# Altium PCB PCB2.PcbDoc
Units mm, origin at the board's own origin, x right, y up, seen from the top; angles counter-clockwise.
Board outline 61 x 100 mm, 2 copper layers (Top Layer, Bottom Layer); 60 components, 43 nets, 226 pads, 132 vias.
Unrouted connection lines stored in the file: 8.
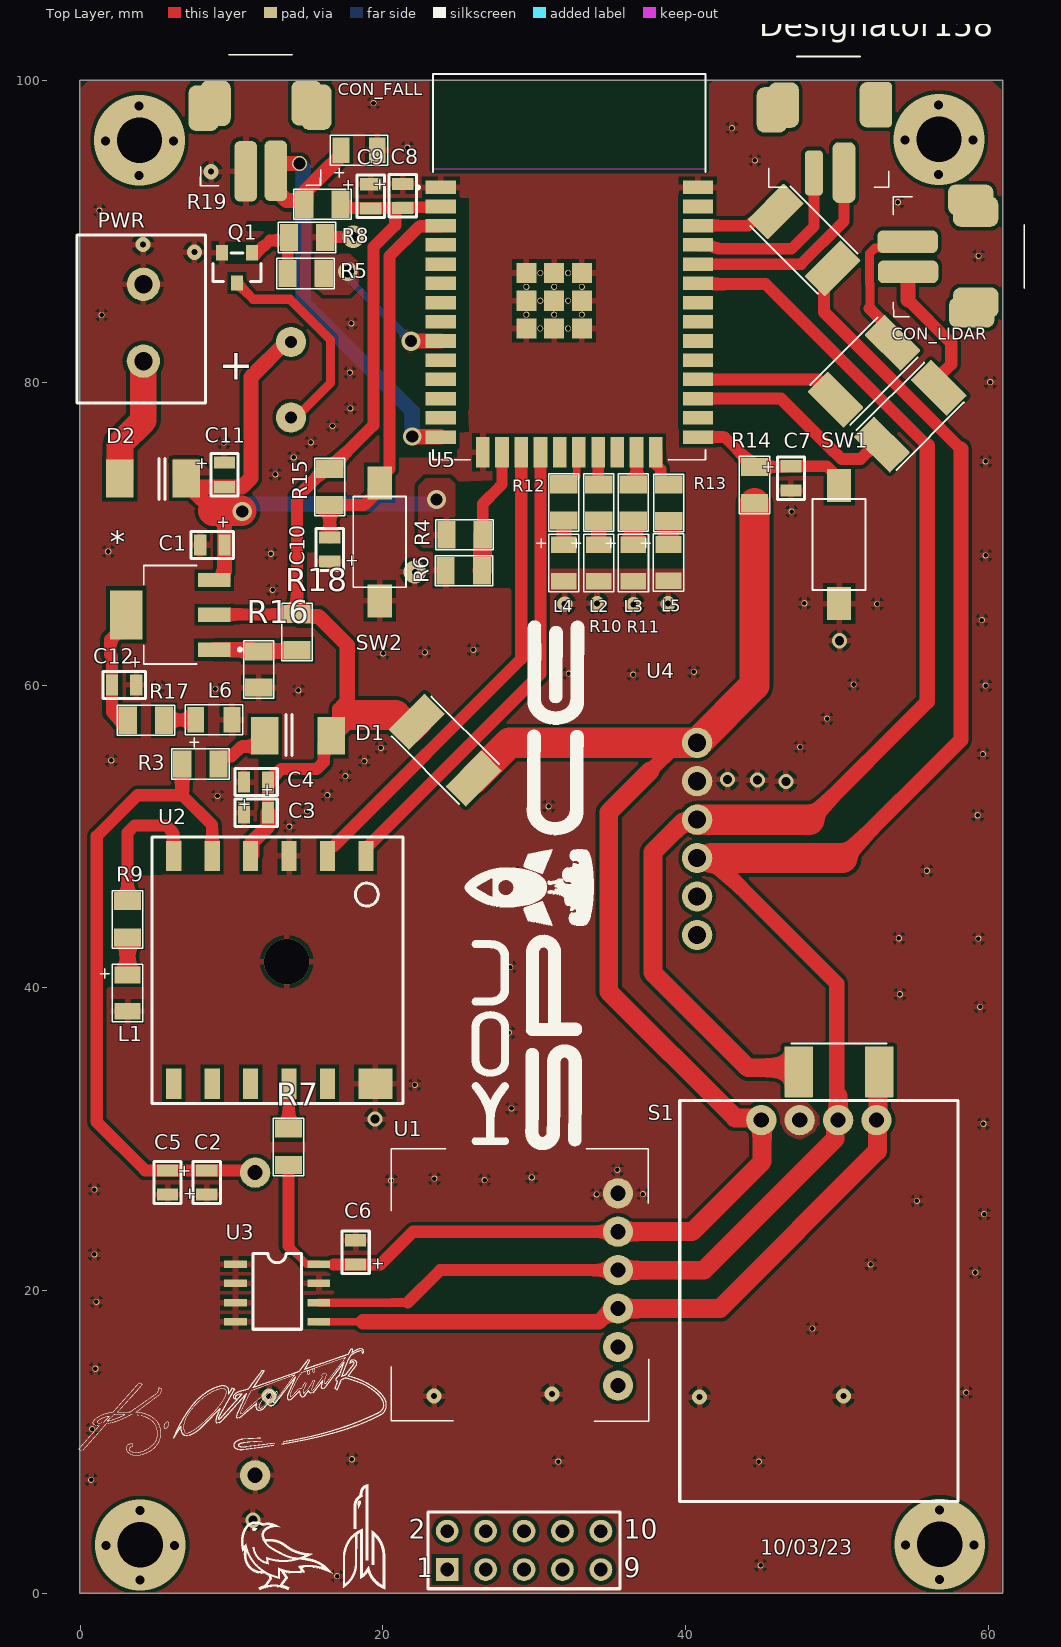
[diagram p0: Top Layer view]
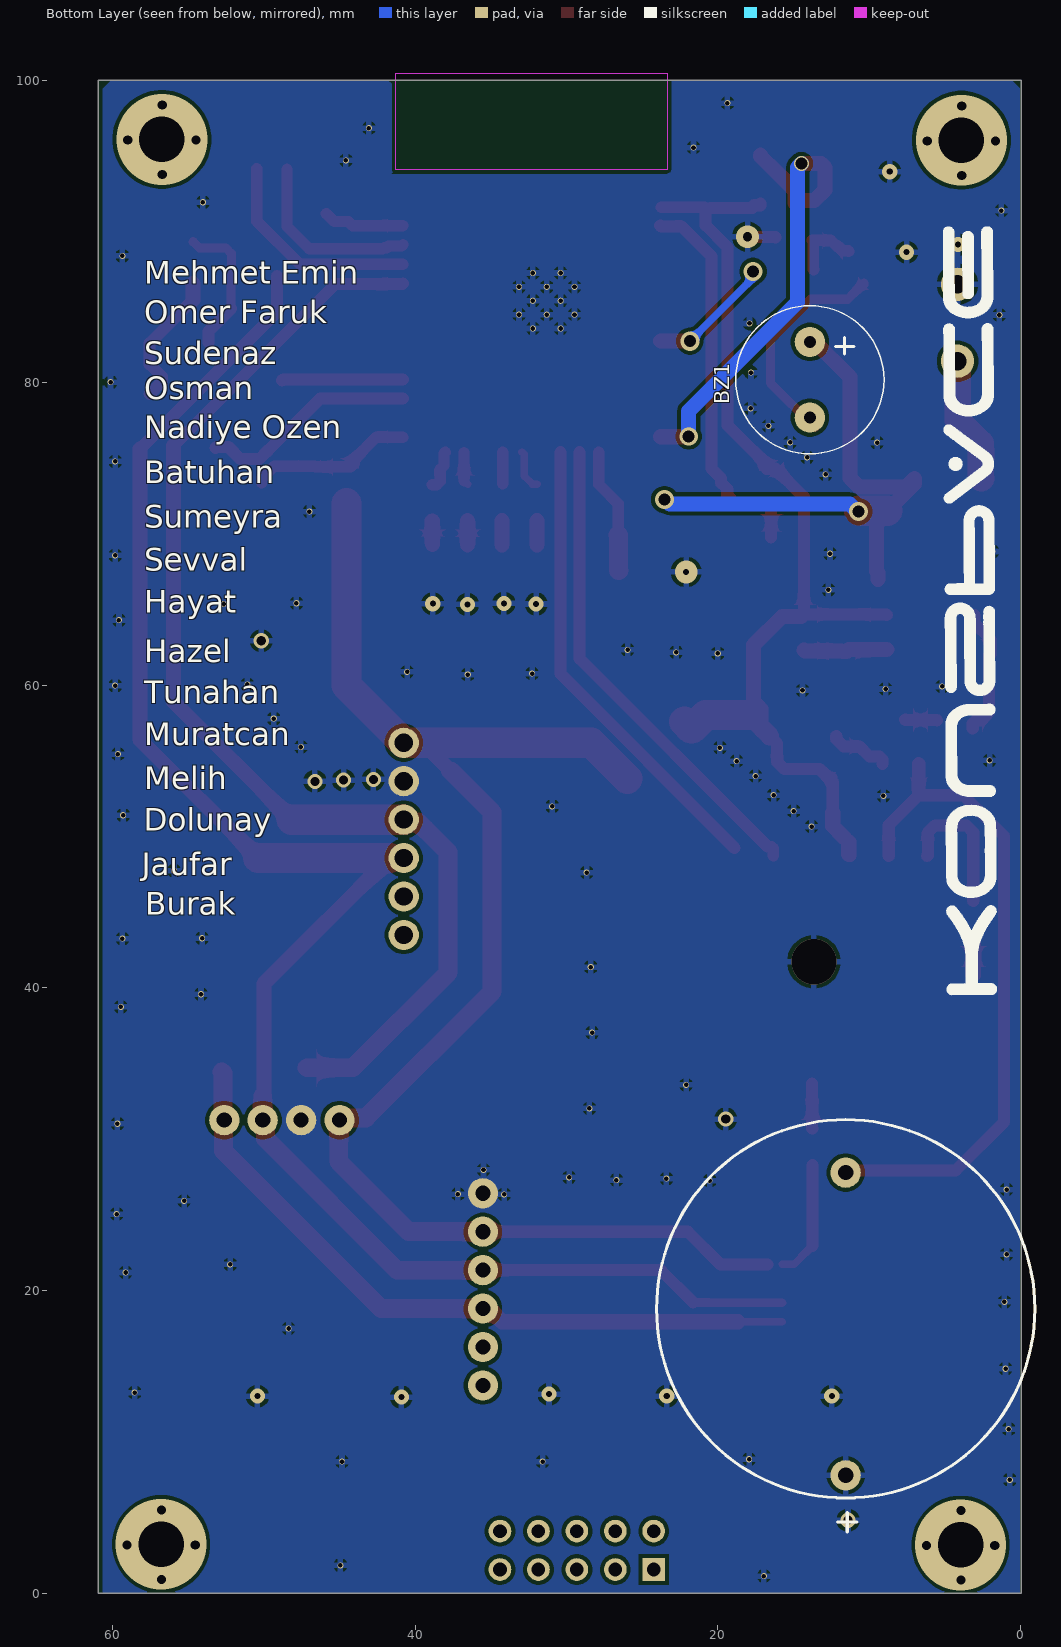
[diagram p1: Bottom Layer view, seen from below]
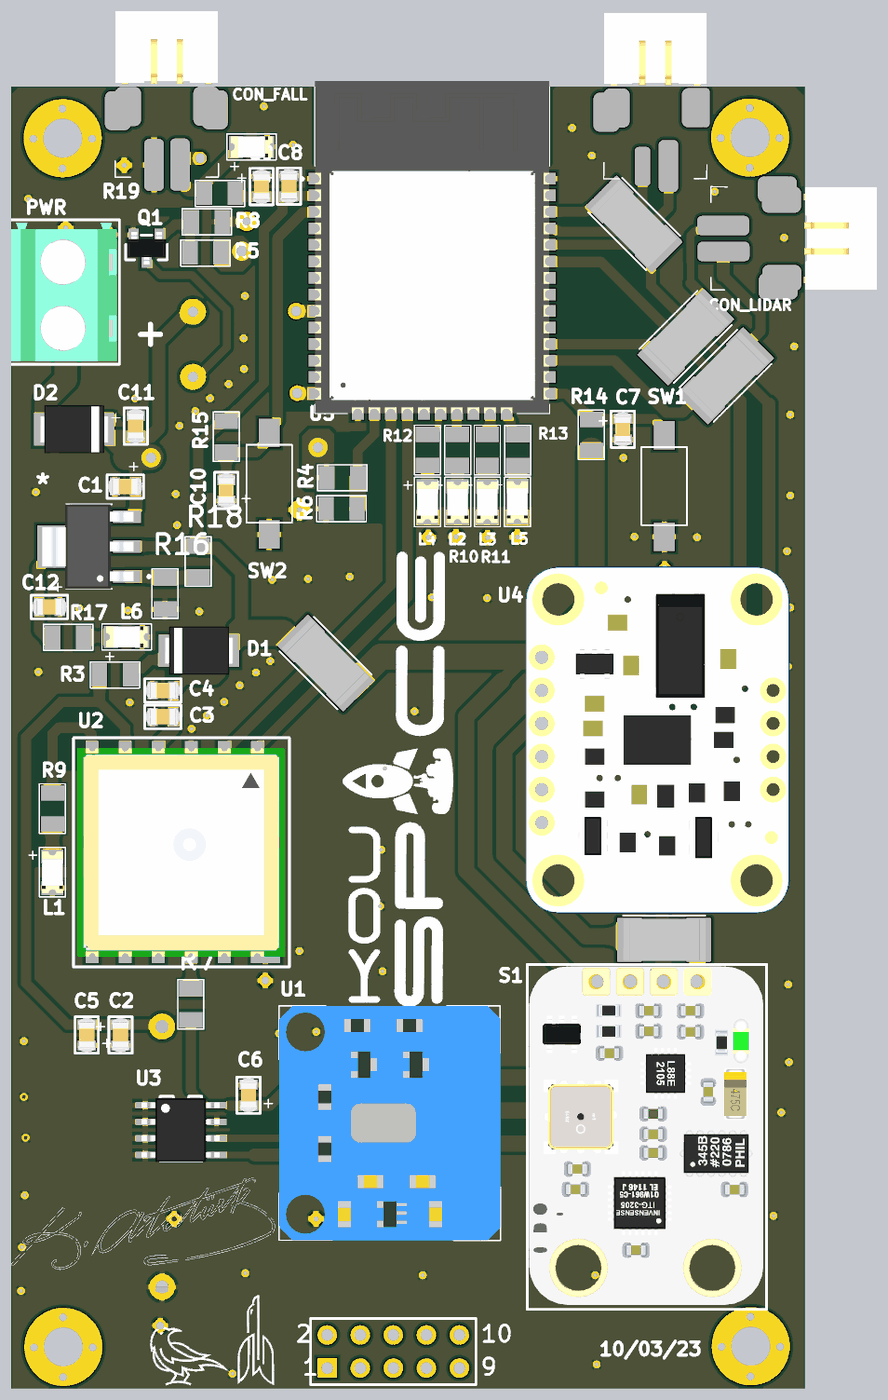
[diagram p2: 3D render of the assembled board from above, using the file's embedded part models]

## Layer stack, top to bottom
Top Solder: solder mask 0.0102, Solder Resist, Dk 3.5
Top Layer: signal copper 0.0356
Dielectric 1: dielectric 0.32, FR-4, Dk 4.8
Bottom Layer: signal copper 0.0356
Bottom Solder: solder mask 0.0102, Solder Resist, Dk 3.5

## Board outline
-0.057,0 -0.057,100 60.943,100 60.943,0

## Design rules (kind name [scope] priority, off if disabled: settings)
Clearance [All] p1: gap=0.254 ignorepadtopadclearanceinfootprint=FALSE except(0: Arc-Hole Track-Hole SMDPad-Hole THPad-Hole Via-Hole Fill-Hole Poly-Hole Region-Hole Text-Hole; 0.2: Arc-SMDPad Track-SMDPad SMDPad-SMDPad)
PolygonConnect [All] p1: connectstyle=Relief reliefconductorwidth=0.4 reliefentries=4 polygonreliefangle="90 Angle" airgapwidth=0.254
RoutingVias [All] p1: holewidth=1 width=1.27 viastyle="Through Hole" minholewidth=0.3 minwidth=1.27 maxholewidth=2 maxwidth=1.27
SolderMaskExpansion [All] p1: expansion=0.102 istentingtop=FALSE
Width [All] p1: maxlimit=2 minlimit=0.254 preferedwidth=0.254
30 further rules are at their usual default settings.

## Classes and differential pairs
component class Sensör: BZ1 C1 C2 C3 C4 C5 C6 D1 L1 L2 L3 L4 L5 Q1 R3 R4 R5 R6 R7 R8 R9 R10 R11 R12 R13 S1 U1 U2 U3 U4
component class Mikroişlemci: C7 C8 C9 C10 R14 R15 SW1 SW2 U5
component class Güç: * C11 C12 D2 L6 PWR R16 R17 R18 R19

## Components (designator, comment, footprint, x,y, rotation, side; value= is the part's Value field where it differs from the comment)
* "LM317DCYR" SOT230P700X180-4N 5.94,64.66 r180 top
BZ1 "Buzzer" CMI-9605IC 13.922,80.196 r180 bottom
C1 "100nF" CAP_805 8.722,69.276 r180 top
C2 "CAP 100nF 0805" CAP_805 8.352,27.146 r270 top
C3 "CAP 100nF 0805" CAP_805 11.612,51.586 r180 top
C4 "CAP 10uF 0805" CAP_805 11.612,53.606 r0 top
C5 "CAP 4.7uF" CAP_805 5.762,27.146 r90 top
C6 "100nF" CAP_805 18.192,22.526 r90 top
C7 "CAP 0.1uF" CAP_805 46.961,73.677 r270 top
C8 "CAP 0.1uF" CAP_805 21.302,92.346 r270 top
C9 "CAP 0.1uF" CAP_805 19.192,92.316 r270 top
C10 "CAP 0.1uF" CAP_805 16.481,68.978 r90 top
C11 "CAP 0.1uF" CAP_805 9.522,73.916 r270 top
C12 "CAP 1uF" CAP_805 2.892,60.026 r180 top
CON_FALL "Comment" SMD_JST#1 11.919,96.765 r0 top
CON_LIDAR "Comment" SMD_JST#1 57.462,88.326 r270 top
D1 "S3M Diyot" DO214AA 14.382,56.666 r180 top
D2 "S3M Diyot" DO214AA 4.797,73.677 r0 top
Designator158 "Comment" SMD_JST#2 49.468,96.65 r0 top
L1 "Led Red" "Led 1206" 3.122,39.656 r270 top
L2 "Led Red" "Led 1206" 34.261,68.089 r270 top
L3 "Led Red" "Led 1206" 36.547,68.089 r270 top
L4 "Led Red" "Led 1206" 31.952,68.089 r270 top
L5 "Led Red" "Led 1206" 38.862,68.106 r270 top
L6 "Led Red" "Led 1206" 8.822,57.726 r0 top
PWR "2 Pin Klemens" "5.08mm-2 pin" 4.162,83.964 r270 top (schematic designator KLM1)
Q1 "BC817-40-HT NPN" SOT-23 10.352,87.586 r180 top
R3 "RES 4.7K 1206" RES_1206#1 7.932,54.806 r180 top
R4 "15K" RES_1206#1 25.392,69.946 r0 top
R5 "150R" RES_1206#1 14.882,87.216 r0 top
R6 "5.1K" RES_1206#1 25.342,67.576 r180 top
R7 "RES 4.7K 1206" RES_1206#1 13.752,29.506 r90 top
R8 "RES 4.7K 1206" RES_1206#1 14.982,89.606 r180 top
R9 "RES 220R 1206" RES_1206#1 3.122,44.539 r270 top
R10 "RES 220R 1206" RES_1206#1 34.261,72.083 r90 top
R11 "RES 220R 1206" RES_1206#2 36.542,72.083 r90 top
R12 "RES 220R 1206" RES_1206#1 31.952,72.086 r90 top
R13 "RES 220R 1206" RES_1206#1 38.882,72.066 r90 top
R14 "RES 10K 1206" RES_1206#1 44.548,73.239 r270 top
R15 "RES 10K 1206" RES_1206#1 16.481,73.112 r90 top
R16 "200R" RES_1206#1 11.782,61.047 r270 top
R17 "RES 220R 1206" RES_1206#1 4.332,57.696 r180 top
R18 "120R" RES_1206#1 14.322,63.517 r90 top
R19 "PULL_UP" RES_1206#1 15.991,91.791 r0 top
S1 "SEN0140" SEN0140 48.812,31.266 r180 top
SW1 "1437566-3" SW_1437566-3 50.142,69.306 r270 top
SW2 "1437566-3" SW_1437566-3 19.783,69.486 r90 top
U1 "MPL3115A2-TH" MPL3115A2 35.531,20.083 r90 top
U2 "L80 GPS" L-80 12.832,41.176 r90 top
U3 "24LC512" soic-8 13.002,19.846 r270 top
U4 "BNO055" BNO055 49.962,51.206 r0 top
U5 "ESP32-WROOM-32D" MODULE_ESP32-WROOM-32D 32.311,87.658 r0 top
? "Comment" CR2032 11.552,17.796 r90 bottom
? "Comment" RESC6331X70N 50.132,34.456 r0 top
? "Comment" HDR2X5 24.242,1.566 r0 top
? "Comment" RESC6331X70N 24.111,55.717 r135 top
? "Comment" RESC6331X70N 54.851,77.785 r45 top
? "Comment" RESC6331X70N 51.791,80.765 r45 top
? "Comment" RESC6331X70N 47.831,89.437 r135 top
? "Comment" "Led 1206" 18.422,95.366 r0 top

## Footprints (in the part's own frame and the unit in brackets; to place one, negate y for a bottom-side part, rotate by r counter-clockwise, add the part's x,y. Pads: shape width x height; smd on the part's side, far side on the other; paste and mask are expansions set on the pad)
"5.08mm-2 pin" [mm]
  round 2.2 hole 1.2 mask+0.05: 1(-2.54,0) 2(2.54,0)
  silkscreen extent -5.8,-4.4 5.3,4.1, body extent -5.59,-4.2 5.07,3.9, height 10.2
BNO055 [mm]
  round 2 hole 1.2: 2(-9.2,5) 3(-9.2,2.46) 4(-9.2,-0.08) 5(-9.2,-2.62) 6(-9.2,-5.16) 7(-9.2,-7.7)
  body extent -10.5,-14.73 9.82,11.94, height 4.15
CAP_805 [mm]
  rect 0.8x1.4 smd mask+0.05: 1(-0.8,0) 2(0.8,0)
  silkscreen extent -1.4,-0.9 1.4,0.9, body extent -1.3,-0.68 1.3,0.68, height 0.9
CMI-9605IC [mm]
  round 2 hole 0.8 mask+0.05: 1(0,2.5) 2(0,-2.5)
  silkscreen extent -4.9,-4.9 4.9,4.9, body extent -4.8,-4.8 4.8,5.9, height 5.2
CR2032 [mm]
  round 2 hole 1 mask+0.05: 1(-10,0) 2(10,0)
  silkscreen extent -13.75,-12.5 13.5,12.5, body extent -11.25,-11.05 13.04,11.05, height 8.7
DO214AA [mm]
  rect 1.8x2.5 smd mask+0.05: 1(-2.2,0) 2(2.2,0)
  silkscreen extent 0.4,-1.4 0.8,1.3, body extent -2.65,-1.85 2.65,1.85, height 2.3
HDR2X5 [mm] "Connector; Header; 5x2 Position"
  rect 1.5x1.5 hole 0.9: 1(0,0)
  round 1.5 hole 0.9: 2(0,2.54) 3(2.54,0) 4(2.54,2.54) 5(5.08,0) 6(5.08,2.54) 7(7.62,0) 8(7.62,2.54) 9(10.16,0) 10(10.16,2.54)
  silkscreen extent -1.27,-1.27 11.43,3.81
L-80 [mm]
  rect 2x1 smd mask+0.05: 1(7.55,-6.04) 2(7.55,-3.5) 3(7.55,-0.96) 4(7.55,1.58) 5(7.55,4.12) 6(7.55,6.66) 7(-7.5,6.66) 8(-7.5,4.12) 9(-7.5,1.58) 10(-7.5,-0.96) 11(-7.5,-3.5)
  rect 2x2.25 smd mask+0.05: 12(-7.5,-6.66)
  silkscreen extent -8.8,-8.5 8.8,8.1, body extent -8,-8.2 8,7.8, height 7.05
"Led 1206" [mm]
  rect 1.1x1.7 smd mask+0.05: 1(-1.2,0) 2(1.2,0)
  silkscreen extent -1.9,-1.8 1.9,1, body extent -1.59,-0.8 1.61,0.8, height 1.1
MODULE_ESP32-WROOM-32D [mm]
  rect 2x0.9 smd: 1(-8.5,5.26) 2(-8.5,3.99) 3(-8.5,2.72) 4(-8.5,1.45) 5(-8.5,0.18) 6(-8.5,-1.09) 7(-8.5,-2.36) 8(-8.5,-3.63) 9(-8.5,-4.9) 10(-8.5,-6.17) 11(-8.5,-7.44) 12(-8.5,-8.71) 13(-8.5,-9.98) 14(-8.5,-11.25) 25(8.5,-11.25) 26(8.5,-9.98) 27(8.5,-8.71) 28(8.5,-7.44) 29(8.5,-6.17) 30(8.5,-4.9) 31(8.5,-3.63) 32(8.5,-2.36) 33(8.5,-1.09) 34(8.5,0.18) 35(8.5,1.45) 36(8.5,2.72) 37(8.5,3.99) 38(8.5,5.26)
  rect 0.9x2 smd: 15(-5.715,-12.25) 16(-4.445,-12.25) 17(-3.175,-12.25) 18(-1.905,-12.25) 19(-0.635,-12.25) 20(0.635,-12.25) 21(1.905,-12.25) 22(3.175,-12.25) 23(4.445,-12.25) 24(5.715,-12.25)
  rect 1.33x1.33 smd: 39_1(-2.835,-0.405) 39_2(-1,-0.405) 39_3(0.835,-0.405) 39_4(-2.835,-2.24) 39_5(-1,-2.24) 39_6(0.835,-2.24) 39_7(-2.835,-4.075) 39_8(-1,-4.075) 39_9(0.835,-4.075)
  round 0.4 hole 0.3: 39_10(-1.917,-0.405) 39_11(-0.082,-0.405) 39_12(-2.835,-1.322) 39_13(-1,-1.322) 39_14(0.835,-1.322) 39_15(-1.917,-2.24) 39_16(-0.082,-2.24) 39_17(-2.835,-3.157) 39_18(-1,-3.157) 39_19(0.835,-3.157) 39_20(-1.917,-4.075) 39_21(-0.082,-4.075)
  Keep-Out Layer region: 9,6.45 -9,6.45 -9,12.75 9,12.75
  silkscreen extent -10.1,-12.75 9,12.75, body extent -9,-12.75 9,12.75, height 3.25
MPL3115A2 [mm]
  round 2 hole 1: 1(6.35,0) 2(3.81,0) 3(1.27,0) 4(-1.27,0) 5(-3.81,0) 6(-6.35,0)
  silkscreen extent -8.72,-2.03 9.3,15, body extent -8.7,-2.03 9.3,14.97, height 1.7
RES_1206#1 [mm]
  rect 1.2x1.8 smd mask+0.05: 1(-1.2,0) 2(1.2,0)
  silkscreen extent -1.9,-1 1.9,1, body extent -1.57,-0.82 1.57,0.82, height 0.53
RES_1206#2 [mm]
  rect 1.2x1.8 smd mask+0.05: 1(-1.2,0) (1.2,0)
  silkscreen extent -1.9,-1 1.9,1, body extent -1.57,-0.82 1.57,0.82, height 0.53
RESC6331X70N [mm]
  rrect7% 1.9x3.37 smd: 1(-2.66,0) 2(2.66,0)
  silkscreen extent -3.15,-1.87 3.15,1.87, body extent -3.15,-1.6 3.2,1.6, height 0.58
SEN0140 [mm]
  round 2 hole 1 mask+0.05: 1(3.81,0) 2(1.27,0) 3(-1.27,0) 4(-3.81,0)
  silkscreen extent -9.2,-1.3 9.2,25.2, body extent -8.95,-1.15 9.05,24.85, height 3.6
SMD_JST#1 [mm]
  rrect50% 1.5x4 smd: 1(-0.99,-2.79) 2(1,-2.76)
  rrect50% 2x3 smd: 3(-3.77,1.38) 3(-2.98,1.7) 4(3.03,1.72) 4(3.68,1.45)
  silkscreen extent -3.98,-3.74 3.96,4.91, body extent -3.95,-3.74 3.95,4.88, height 5.61
SMD_JST#2 [mm]
  rrect50% 1.2x3 smd: 1(-0.99,-2.79)
  rrect50% 1.5x4 smd: 2(1,-2.76)
  rrect50% 2x3 smd: 3(-3.77,1.38) 3(-2.98,1.7) 4(3.03,1.72)
  rrect50% 1x3 smd: 4(3.66,1.72)
  silkscreen extent -3.98,-3.74 3.96,4.91, body extent -3.95,-3.74 3.95,4.88, height 5.61
soic-8 [mm]
  rect 0.5x1.5 smd mask+0.05: 1(-1.905,-2.75) 2(-0.635,-2.75) 3(0.635,-2.75) 4(1.905,-2.75) 5(1.905,2.75) 6(0.635,2.75) 7(-0.635,2.75) 8(-1.905,2.75)
  silkscreen extent -2.6,-1.6 2.4,1.6, body extent -2.46,-3.02 2.44,2.97, height 1.75
SOT230P700X180-4N [mm]
  rect 2.15x0.95 smd: 1(-2.9,2.3) 2(-2.9,0) 3(-2.9,-2.3)
  rect 2.15x3.25 smd: 4(2.9,0)
  silkscreen extent -4.7,-3.25 1.75,3.25, body extent -3.4,-3.25 3.6,3.25, height 1.8
SOT-23 [mm]
  rect 0.8x1 smd mask+0.05: 1(-1,-1) 2(1,-1) 3(0,1)
  silkscreen extent -1.6,-1 1.6,0.9, body extent -1.5,-1.25 1.5,1.25, height 1.1
SW_1437566-3 [mm]
  rect 2.18x1.6 smd: 1(-3.9,0) 2(3.9,0)
  silkscreen extent -3,-1.75 3,1.75

## Part data
BZ1: library part BUZZER, Designed by="Ahmet Azboy"
C1 C6: library part "CAP 100nF 0805", "0805 smd"
C2 C3 C4 C12: "0805 smd"
C5: library part "CAP 2.2uF", "0805 smd"
C7 C8 C9 C10 C11: library part "CAP 1uF", "0805 smd"
D1 D2: Case/Package=DO214AA, Current=3A, Voltage=1000V
PWR: "5.08mm 2 pin klemens"
Q1: Case/Package=SOT-23, Current="500 mA", Voltage=45V
R4 R6: library part "RES 1K 1206"
R5 R19: library part "RES 4.7K 1206"
R16 R18: library part "RES 820R 1206"
S1: "10 DOF IMU"
SW1 SW2: "Switch Tactile OFF (ON) SPST Rectangular Button Gull Wing 0.05A 12VDC SMD Loose Piece", Package=None, Availability=Unavailable, MP=1437566-3, Price=None
U3: "EEPROM Serial-2Wire 512K-bit 64K x 8 3.3V/5V 8-Pin SOIJ Tube / IC EEPROM 512KBIT 400KHZ 8SOIJ", Case/Package=SOIC, Frequency=400kHz, Manufacturer=Microchip, Manufacturer Part Number=24LC512-I/SM, Max Operating Temperature=85°C, Max Supply Voltage=5.5V, Min Operating Temperature=-40°C, Min Supply Voltage=2.5V, Nominal Supply Current=5mA, Package Quantity=90, Supplier Part Number 1=8895724, Access Time=900ns, Access Time-Max=900ns, Category=EEPROM, ComponentLink1Description=https://datasheet.ciiva.com/26870/24lc512-i-sm-26870738.pdf?src-supplier=IIIC, ComponentLink1URL=https://datasheet.ciiva.com/26870/24lc512-i-sm-26870738.pdf?src-supplier=IIIC, ComponentLink2Description=https://datasheet.ciiva.com/29294/160414-da-01-en-eeprom-24lc512-i-sm-microchip-29294348.pdf?src-supplier=Conrad, ComponentLink2URL=https://datasheet.ciiva.com/29294/160414-da-01-en-eeprom-24lc512-i-sm-microchip-29294348.pdf?src-supplier=Conrad, ComponentLink3Description=https://datasheet.ciiva.com/17651/21754m-17651369.pdf?src-supplier=Avnet+Europe, ComponentLink3URL=https://datasheet.ciiva.com/17651/21754m-17651369.pdf?src-supplier=Avnet+Europe, ComponentLink4Description=https://datasheet.ciiva.com/1155/1688094-1155274.pdf?src-supplier=Element14, ComponentLink4URL=https://datasheet.ciiva.com/1155/1688094-1155274.pdf?src-supplier=Element14, ComponentLink5Description=https://datasheet.ciiva.com/1155/1688094-1155275.pdf?src-supplier=Element14, ComponentLink5URL=https://datasheet.ciiva.com/1155/1688094-1155275.pdf?src-supplier=Element14, ComponentLink6Description=https://datasheet.ciiva.com/3184/21754m-3184956.pdf?src-supplier=Avnet, ComponentLink6URL=https://datasheet.ciiva.com/3184/21754m-3184956.pdf?src-supplier=Avnet, ComponentLink7Description=https://datasheet.ciiva.com/16921/70045251-16921949.pdf?src-supplier=Allied+Electronics, ComponentLink7URL=https://datasheet.ciiva.com/16921/70045251-16921949.pdf?src-supplier=Allied+Electronics, ComponentLink8Description=https://datasheet.ciiva.com/16304/filehandler-aspxddocname-en546203-16304574.pdf?src-supplier=Future+Electronics, ComponentLink8URL=https://datasheet.ciiva.com/16304/filehandler-aspxddocname-en546203-16304574.pdf?src-supplier=Future+Electronics, Density=512Kb, Designed by="Ahmet Azboy", Height=1.88mm, Lead Free="Lead Free", Length=5.21mm, Max Frequency=400kHz, Memory Size=512Kb, Memory Type=EEPROM, Mount="Surface Mount", Number of Pins=8, Organization=64KX8, Packaging=Rail/Tube, Pricing 1="90=1,48900 (GBP)", Programming Voltage=5.5V, Radiation Hardening=No, REACH SVHC="No SVHC", RoHS=Yes, RoHS Compliant=Yes, Stock 1=53, Supplier 1=RSComponents, Supply Current=5mA, Supply Voltage-Nom=5.5V, Width=5.28mm, Write Cycle Time-Max (tWC)=5ms, Write Protection=YES, Interface=I2C,Serial,2-Wire
U5: "Bluetooth, WiFi 802.11b/g/n, Bluetooth v4.2 +EDR, Class 1, 2 and 3 Transceiver Module 2.4GHz ~ 2.5GHz Integrated", Package="Module Espressif Systems", Availability="In Stock", Check_prices=https://www.snapeda.com/parts/ESP32-WROOM-32D/Espressif+Systems/view-part/?ref=eda, MF="Espressif Systems", MP=ESP32-WROOM-32D, Price=None, Purchase-URL=https://pricing.snapeda.com/search/part/ESP32-WROOM-32D/?ref=eda, SnapEDA_Link=https://www.snapeda.com/parts/ESP32-WROOM-32D/Espressif+Systems/view-part/?ref=snap
U2: Designed by="Ahmet Azboy", Name="Quetcel L80"

## Via types
v1: diameter 0.4, hole 0.3, Top Layer to Bottom Layer, 85 vias
v2: diameter 0.6, hole 0.6, Top Layer to Bottom Layer, 16 vias
v3: diameter 1, hole 0.4, Top Layer to Bottom Layer, 12 vias
v4: diameter 1, hole 0.6, Top Layer to Bottom Layer, 6 vias
v5: diameter 6, hole 3, Top Layer to Bottom Layer, 4 vias
v6: diameter 1.27, hole 0.8, Top Layer to Bottom Layer, 4 vias
v7: diameter 1.2, hole 0.8, Top Layer to Bottom Layer, 1 vias
v8: diameter 1, hole 0.8, Top Layer to Bottom Layer, 1 vias
v9: diameter 3, hole 3, Top Layer to Bottom Layer, 1 vias
v10: diameter 1.5, hole 0.4, Top Layer to Bottom Layer, 1 vias
v11: diameter 1.5, hole 0.6, Top Layer to Bottom Layer, 1 vias

## Nets (pads, with @x,y where several pads share a name; then routed paths per layer and width w, separated by ;. In a path a pad name is that pad's centre, name@x,y a point inside that pad or via, vN(x,y) a via of type N, cw(c..) or ccw(c..) an arc to the next point about the centre after c; other vN are vias at no path point)
+3V3: *.2 *.4 ?.1@25.992,53.836 ?.2@22.23,57.598 C3.1 C4.2 C6.1 C8.2 C9.2 C12.2 D1.1 R7.1 R14.2 R15.2 R17.2 R18.2 R19.2 S1.1 U1.2 U2.4 U3.8 U4.2 U5.2 | length 185.2
  Top Layer w0.5: 13.752,22.966 14.967,21.751 U3.8 ; C8.2 21.348,91.592 C8.2@21.358,91.602 ; U5.2@23.755,91.592 U5.2
  Top Layer w0.75: C8.2@20.878,91.592 21.348,91.592 U5.2@23.755,91.592
  Top Layer w0.8: *.4 3.04,64.11 1.972,63.042 1.972,62.046 2.092,61.926 C12.2 2.092,58.234 2.659,57.667 2.959,57.667 3.159,57.467 R17.2@3.159,57.167 ; *.2 8.868,64.689 14.293,64.689 R18.2 ; U2.4 U2.4@11.352,48.826 ; 11.822,50.106 11.943,50.106 ; C3.1 C4.2 ; C4.2@12.482,53.906 12.712,53.906 13.272,54.466 15.613,54.466 16.082,54.935 16.082,56.166 D1.1 ; 13.752,22.966 R7.1 ; R18.2@14.491,64.548 R18.2 ; 16.73,21.726 C6.1 19.822,21.726 21.989,23.893 U1.2 ; D1.1@17.04,57.125 17.04,58.038 17.04,58.455 17.289,58.703 17.642,59.056 ; R19.2@17.192,91.846 17.192,91.736 17.182,91.726 R19.2@17.612,91.726 ; R19.2@17.721,91.536 19.192,91.536 20.522,91.536 ; C8.2@20.81,91.536 20.81,90.405 19.362,88.956 19.362,77.193 16.981,74.812 16.981,74.512 16.781,74.312 R15.2 16.181,74.312 14.322,72.453 R18.2
  Top Layer w1: U2.4@11.352,48.826 11.352,49.636 11.822,50.106 12.412,50.696 C3.1 ; R18.2@14.491,64.548 15.75,64.548 17.642,62.656 17.642,59.056 ; 37.661,54.356 39.369,56.063
  Top Layer w1.25: D1.1 17.04,57.125 17.954,58.038 ; U1.2 40.429,23.893 45.056,28.52 45.056,31.266 44.912,31.41 43.268,31.41 34.922,39.756 34.922,51.616 37.661,54.356
  Top Layer w2: 17.954,58.038 20.821,58.038 21.71,57.149 21.781,57.149 ?.2@22.23,57.598 ; ?.1@25.992,53.836 28.362,56.206 U4.2 44.548,59.992 R14.2
+12V: *.3 BZ1.1 C1.1 C11.2 D2.2 R4.1 | length 37.7
  Top Layer w1: *.3@9.415,66.985 9.415,67.439 9.522,67.546 C1.1 9.522,70.646 8.8,71.368 8.8,71.524 8.786,71.538 7.383,72.941 6.997,73.327 D2.2 7.558,73.116 C11.2 10.686,73.116 11.272,73.702 11.272,80.376 BZ1.1@13.642,82.746 ; v6@10.65,71.538 v6(10.702,71.486)
  Top Layer w2: 8.786,71.538 9.522,71.538 v6@10.65,71.538
  Bottom Layer w1: v6(10.702,71.486) 10.775,71.486 11.285,71.996 23.178,71.996 23.458,72.276 v6(23.532,72.276)
+12V_D: D2.1 PWR.2 | length 8.4
  Top Layer w1.75: D2.1 2.632,73.712 2.632,75.986 4.162,77.516 PWR.2
BATTERY: R4.2 R6.1 U5.16 | length 8.4
  Top Layer w0.75: R4.2 26.592,72.006 27.692,73.106 27.866,73.281 U5.16
  Top Layer w1.256: R6.1 26.567,67.601 26.567,69.921 R4.2
BUZZER: R5.2 U5.9 | length 8.3
  Top Layer w0.5: v6(21.852,82.746) v6@21.858,82.752 ; U5.9@23.805,82.752 U5.9
  Top Layer w1: v6@21.858,82.752 U5.9@23.805,82.752
  Bottom Layer w0.5: v6(17.672,87.356) 17.819,87.209 17.819,86.779 v6(21.852,82.746)
CNTRL_RX: Designator158.2 U5.34 | length 14.3
  Top Layer w0.75: U5.34 47.634,87.838 50.472,90.676 Designator158.2@50.472,94.146
CNTRL_TX: Designator158.1 U5.35 | length 12.2
  Top Layer w0.75: U5.35 40.886,89.033 41.759,89.033 41.875,88.917 42.072,88.917 42.145,88.843 46.999,88.843 48.482,90.326 Designator158.1@48.482,94.116
FREE_FALL: ?.1@17.222,95.366 CON_FALL.2 R19.1 U5.14 | length 32.4
  Top Layer w0.5: v7(21.932,76.446) v7@21.951,76.427 ; U5.14@23.792,76.427 U5.14
  Top Layer w1: CON_FALL.2@12.932,94.056 12.932,92.743 13.633,92.041 14.692,92.041 14.792,91.941 R19.1 ; CON_FALL.2@12.932,94.236 13.182,94.486 v8(14.482,94.486) ; R19.1@14.892,91.891 14.892,92.676 16.072,93.856 17.172,94.956 17.172,95.016 ?.1@17.192,95.036 ; v7@21.951,76.427 U5.14@23.792,76.427
  Bottom Layer w1: v8(14.482,94.486) 14.732,94.236 14.732,85.316 21.932,78.116 v7(21.932,76.446)
GND: ?.1@11.552,7.796 ?.2@19.622,95.366 C1.2 C2.2 C3.2 C4.1 C5.1 C6.2 C7.2 C8.1 C9.1 C10.1 C11.1 C12.1 CON_FALL.1 L1.2 L2.2 L3.2 L4.2 L5.2 L6.2 PWR.1 Q1.2 R6.2 R8.1 R16.2 S1.2 SW1.2 SW2.1 U1.1 U2.3 U2.12 U3.1 U3.2 U3.3 U3.4 U3.7 U4.3 U5.1 U5.15 U5.38 U5.39_1 U5.39_2 U5.39_3 U5.39_4 U5.39_5 U5.39_6 U5.39_7 U5.39_8 U5.39_9 U5.39_10 U5.39_11 U5.39_12 U5.39_13 U5.39_14 U5.39_15 U5.39_16 U5.39_17 U5.39_18 U5.39_19 U5.39_20 U5.39_21 | length 1.9
  Top Layer w0.8: R8.1 16.202,89.626 18.022,89.626 v11(18.042,89.646)
  other v1: 16.962,1.136 44.952,1.846 0.712,7.496 31.582,8.696 44.842,8.696 17.942,8.856 0.782,10.846 58.542,13.256 0.992,14.836 48.372,17.496 1.062,19.256 59.142,21.196 52.232,21.736 0.922,22.396 59.732,25.056 55.282,25.926 34.122,26.356 37.182,26.376 0.922,26.676 20.542,27.266 26.712,27.306 23.402,27.396 29.832,27.486 35.492,27.976 59.682,31.026 28.492,32.046 22.102,33.596 28.312,37.046 59.462,38.746 54.162,39.586 28.402,41.376 59.352,43.256 54.092,43.286 28.672,47.626 55.942,47.746 13.812,50.666 59.302,51.416 14.992,51.686 30.952,52.006 9.062,52.696 16.319,52.739 17.509,54.005 18.765,54.993 2.042,55.036 59.652,55.456 19.865,55.873 47.562,55.926 49.352,57.796 14.409,59.669 8.919,59.759 5.182,59.926 59.832,59.976 51.102,60.056 36.532,60.706 32.282,60.776 40.542,60.886 20.012,62.116 22.762,62.186 25.969,62.351 59.582,64.306 52.662,65.376 47.852,65.426 12.702,66.306 59.832,68.586 12.592,68.696 1.842,68.846 47.002,71.486 12.882,73.946 59.832,74.796 14.102,75.066 9.482,76.036 15.232,76.056 16.662,77.146 17.842,78.306 60.132,80.036 17.812,80.666 17.912,83.916 1.402,84.476 59.362,88.386 1.262,91.376 54.032,91.926 44.582,94.696 21.612,95.536 43.062,96.826 19.372,98.476
  other v3: 40.922,12.966 12.472,13.026 23.382,13.026 50.432,13.026 31.162,13.156 36.552,65.346 32.012,65.376 38.842,65.396 34.144,65.416 7.532,88.626 4.142,89.126 8.642,93.946
  other v4: 11.402,4.826 19.482,31.336 46.632,53.656 44.742,53.736 42.772,53.786 50.182,62.946
  other v9: 13.652,41.736
  other v10: 22.102,67.496
GPS_RXD: U2.2 U5.17 | length 32.1
  Top Layer w0.75: U2.2 16.332,49.226 16.457,49.351 U2.2@16.727,49.351
  Top Layer w0.8: U2.2@16.727,49.351 29.136,61.761 U5.17
GPS_TXD: U2.1 U5.18 | length 30.9
  Top Layer w0.8: U2.1@18.897,49.252 30.406,60.761 U5.18
I/O1: U5.11
I/O2: U5.12
I/O3: U5.13
I/O4: 
IO0: C7.1 R14.1 SW1.1 U5.25 | length 11
  Top Layer w0.75: U5.25 42.579,76.408 44.023,74.964 44.023,74.664 44.248,74.439 R14.1 46.623,74.439 46.661,74.477 C7.1 49.335,74.477 50.136,73.676 SW1.1@50.136,73.386
"LED CNTRL": R11. U5.22 U5.23 | length 2.2
  Top Layer w0.5: R11. R11.@36.782,73.523 ; U5.23 U5.23@36.782,75.383
  Top Layer w0.75: R11.@36.782,73.523 U5.23@36.782,75.383
"LED PWR": R10.2 U5.21 | length 2.1
  Top Layer w0.5: R10.2@34.216,73.328 R10.2
  Top Layer w0.75: R10.2@34.216,73.328 U5.21
LED_FREEFALL: R13.2 U5.24 | length 2.7
  Top Layer w0.75: U5.24 38.101,75.333 38.101,74.527 38.357,74.272 38.357,73.491 38.582,73.266 R13.2
Led_Gps: R9.1 U2.6 | length 9.5
  Top Layer w0.8: R9.1 3.122,50.278 3.59,50.746 5.657,50.746 6.126,50.278 6.126,48.772 U2.6
LEDSİGN: R12.2 U5.20 | length 2.7
  Top Layer w0.5: R12.2 32.252,73.286 32.802,73.836 32.802,75.264 U5.20
Net*_1: *.1 R16.1 R18.1 | length 5.6
  Top Layer w1: *.1 11.369,62.36 11.482,62.247 R16.1 11.817,62.282 14.287,62.282 R18.1
NetBT1_POS: ?.2@11.552,27.796 C2.1 C5.2 R3.2 U2.5 | length 44.4
  Top Layer w0.8: 6.732,52.746 6.742,52.736 ; U2.5 8.712,50.766 6.742,52.736 ; ?.2@11.552,27.796 11.402,27.946 C2.1 4.282,27.946 1.082,31.146 1.082,50.036 3.782,52.736 6.742,52.736
  Top Layer w0.9: 6.732,52.746 R3.2
NetBZ1_2: BZ1.2 Q1.3 | length 14.8
  Top Layer w0.6: Q1.3 10.352,86.486 10.452,86.386 10.552,86.386 11.421,85.516 13.852,85.516 16.522,82.846 16.522,79.976 BZ1.2@13.602,77.056
NetC10_2: C10.2 R15.1 SW2.2 U5.3 | length 25.8
  Top Layer w0.8: C10.2 R15.1 18.748,71.912 19.383,72.547 19.383,72.986 SW2.2 19.783,73.676 20.422,74.315 20.422,88.356 22.394,90.328 23.761,90.328 U5.3
NetD1_2: D1.2 R3.1 | length 4.1
  Top Layer w0.8: R3.1 9.132,55.106 9.332,55.306 9.993,55.306 10.644,55.957 11.682,55.957 12.182,56.457 D1.2
NetL1_1: L1.1 R9.2 | length 2.5
  Top Layer w1: L1.1 R9.2
NetL2_1: L2.1 R10.1 | length 1.6
  Top Layer w1: L2.1 R10.1
NetL3_1: L3.1 R11.1 | length 1.6
  Top Layer w1: R11.1 36.544,70.881 36.544,69.292 L3.1
NetL4_1: L4.1 R12.1 | length 1.6
  Top Layer w1: L4.1 R12.1
NetL5_1: L5.1 R13.1 | length 1.6
  Top Layer w1: L5.1 38.872,69.316 38.872,70.856 R13.1
NetL6_1: L6.1 R17.1 | length 2.1
  Top Layer w0.8: R17.1 5.547,57.711 7.607,57.711 L6.1
NetLabel24: 
NetLabel25: 
NetLabel27: 
NetLabel28: 
NetLabel29: 
NetQ1_1: Q1.1 R5.1 R8.2 | length 4.7
  Top Layer w0.75: Q1.1@11.36,88.67 11.36,88.694 11.377,88.711 11.737,88.711 12.045,89.019 12.135,89.019 12.526,89.411 13.776,89.411 13.707,89.341 13.707,87.511 R5.1@13.662,87.466
NetR7_2: R7.2 U2.10 | length 3
  Top Layer w0.8: R7.2 13.772,30.726 13.772,33.656 U2.10
RXD_LİDAR: ?.1@52.97,75.904 ?.2@56.732,79.666 CON_LIDAR.2 U5.27 | length 23.6
  Top Layer w0.8: U5.27 46.3,78.948 49.741,75.506 49.761,75.506 50.317,74.95 51.546,74.95 52.346,75.75 53.153,75.75 ?.1@53.214,75.689 ; 54.692,85.476 57.552,82.616 57.552,81.224 56.752,80.424 56.752,80.059 ?.2@57.552,79.259
  Top Layer w1: 54.692,85.476 54.692,86.559
SCL: ?.1@49.712,87.556 ?.2@45.95,91.318 S1.3 U1.3 U3.6 U4.5 U5.36 | length 121.1
  Top Layer w0.56: U3.6 21.637,19.211
  Top Layer w0.75: U5.36 44.137,90.378 44.417,90.658 45.36,90.658 ?.2@45.88,91.178
  Top Layer w0.8: 21.637,19.211 23.779,21.353 U1.3 ; ?.1@49.142,87.047 49.142,84.669 58.192,75.619
  Top Layer w1: U4.5 41.692,48.586 49.99,40.288 49.99,33.056 50.136,32.91 ; 50.372,48.586 58.192,56.406 58.192,75.619
  Top Layer w1.24: U1.3 41.209,21.353 49.892,30.036 S1.3@49.892,31.266 ; S1.3 50.082,32.856
  Top Layer w2: U4.5@41.692,48.586 50.372,48.586
SDA: ?.1@47.472,34.456 ?.2@52.792,34.456 S1.4 U1.4 U3.5 U4.4 U5.33 | length 125.6
  Top Layer w0.5: U3.5 18.671,17.941
  Top Layer w0.56: U1.4@35.141,18.813 U1.4
  Top Layer w0.8: U5.33 40.861,86.518 45.29,86.518 55.972,75.836
  Top Layer w1: 18.672,17.941 34.269,17.941 U1.4@35.141,18.813 ; 48.182,51.126 55.972,58.916 55.972,75.836
  Top Layer w1.25: U1.4 42.261,18.813 52.676,29.228 S1.4@52.676,31.266 ; U4.4 40.618,50.983 39.838,50.983 37.832,48.976 37.832,41.016 44.122,34.726 ?.1@47.152,34.726 ; S1.4 52.707,31.351 52.707,34.371 ?.2@52.792,34.456
  Top Layer w2: U4.4 48.182,51.126
TXD_LİDAR: ?.1@49.91,78.884 ?.2@53.672,82.646 CON_LIDAR.1 U5.28 | length 17.4
  Top Layer w0.6: 52.171,84.896 52.171,86.543 52.148,86.566 52.148,88.534 52.526,88.913 54.268,88.913 CON_LIDAR.1
  Top Layer w0.8: U5.28 48.74,80.218 ?.1@48.812,80.146 ; 52.171,84.896 53.672,83.396 ?.2@53.672,82.646
pads on no net: ?.1@24.242,1.566 ?.2@24.242,4.106 ?.3 ?.4 ?.5 ?.6 ?.7 ?.8 ?.9 ?.10 CON_FALL.3 CON_FALL.4 CON_LIDAR.3 CON_LIDAR.4 Designator158.3 Designator158.4 U1.5 U1.6 U2.7 U2.8 U2.9 U2.11 U4.6 U4.7 U5.4 U5.5 U5.6 U5.7 U5.8 U5.10 U5.19 U5.26 U5.29 U5.30 U5.31 U5.32 U5.37
copper on no net: | length 6.8
  Top Layer w0.254: v2(54.492,96.036) 56.701,96.036 v5(56.745,96.08) 58.978,96.08 v2@59.002,96.056
  Bottom Layer w0.254: v2(56.722,98.346) 56.722,96.103 v5(56.745,96.08)
  other v2: 3.936,0.868 56.773,0.919 1.706,3.148 6.216,3.148 54.543,3.199 59.053,3.199 3.936,5.458 56.773,5.509 3.885,93.705 56.722,93.756 1.655,95.985 6.165,95.985 59.002,96.036 3.885,98.295
  other v5: 3.959,3.192 56.796,3.243 3.908,96.029

## Polygon pours and split planes (outlines as drawn)
GND on Top Layer "GND_L01_P009" (solid, pour order 9): 0.032,0 60.852,0 60.852,99.356 60.208,100 41.845,100 41.482,99.636 41.482,93.806 23.272,93.806 23.052,94.026 23.052,100.006 22.982,100.076 22.822,99.916 0.482,99.916 0.002,99.436 0.032,99.406
+12V on Top Layer "+12V_L01_P005" (solid, pour order 5): 6.032,74.796 6.112,74.716 6.112,72.366 8.201,70.276 10.842,70.276 11.762,71.196 11.762,73.596 11.582,73.776 8.962,73.776 7.762,74.976 6.152,74.976
BUZZER on Top Layer "BUZZER_L01_P002" (solid, pour order 2): 24.792,83.176 24.792,82.326 24.782,82.316 22.622,82.316 22.072,81.766 21.462,81.766 21.042,82.186 21.042,83.326 21.352,83.636 22.262,83.636 22.692,83.206 24.802,83.206 24.802,83.226
+12V on Top Layer "+12V_L01_P003" (solid, pour order 3): 24.802,69.036 24.752,69.086 22.612,69.086 22.322,69.376 22.322,73.206 22.812,73.696 24.412,73.696 24.782,73.326
BUZZER on Top Layer "BUZZER_L01_P000" (solid, pour order 0): 15.422,88.556 15.492,88.486 15.492,86.376 16.061,85.806 17.772,85.806 18.382,86.416 18.382,87.956 17.803,88.534
GND on Bottom Layer "GND_L02_P008" (solid, pour order 8): 0.042,99.456 0.585,100 23.008,100 23.312,99.696 23.312,93.776 41.532,93.776 41.572,93.816 41.422,93.966 41.422,99.606 41.815,100 60.098,100 60.669,99.429 60.669,99.283 60.669,0 0.042,0

## Other copper
Top Layer:
  pour cut-out: 21.687,81.992 22.297,81.992 22.072,81.766 21.462,81.766 21.081,82.147 21.081,83.366 21.352,83.636 22.262,83.636 22.385,83.513 22.359,83.487 21.517,83.487 21.123,83.093 21.123,82.555 21.199,82.479 21.199,82.372 21.306,82.372
  pour cut-out: 24.902,75.026 24.902,75.541 25.065,75.704 24.964,75.805 21.431,75.805 21.431,75.832 21.208,76.055 21.208,76.087 21.115,76.087 21.062,76.034 21.062,75.026
  pour cut-out: 21.032,76.556 21.062,76.526 21.222,76.526 21.222,76.695 21.696,77.169 22.557,77.169 22.557,78.239 22.549,78.232 21.058,78.232 21.058,76.633 20.982,76.556
  pour cut-out: 46.938,80.997 46.981,80.954 46.981,80.878 48.979,80.878 49.065,80.791 49.245,80.971 49.439,80.971 49.439,81.023 49.503,81.087 48.417,82.174 48.417,82.217 48.32,82.217 46.981,80.878
  pour cut-out: 51.991,78.293 52.171,78.293 52.353,78.111 52.327,78.084 52.327,77.977 50.899,76.549 50.899,76.264 51.303,75.86 51.289,75.846 51.289,75.733 51.219,75.733 51.095,75.61 50.571,75.61 49.903,76.277 50.259,76.633 50.259,76.844 50.524,76.844 50.554,76.813 51.991,78.25 51.991,78.293 52.087,78.293 52.129,78.335
  pour cut-out: 43.394,73.585 43.394,72.893 45.702,72.893 45.702,73.585
  pour cut-out: 42.065,85.859 42.065,80.878 42.069,80.882 45.016,80.882 45.016,85.859
  pour cut-out: 45.016,85.859 45.016,80.882 46.793,80.878 48.417,82.217 50.907,79.627 49.456,78.075 49.1,78.146 47.511,79.735 46.782,79.486 46.487,79.559 46.466,79.415 49.495,76.386 49.948,76.386 50.289,76.888 49.596,77.716 51.047,79.267 51.172,79.292 53.787,76.677 54.132,76.746
  pour cut-out: 11.758,54.56 11.762,55.216 12.911,55.162 12.939,55.035 12.384,54.562
  pour cut-out: 28.349,72.872 27.233,71.741 27.233,71.1 27.446,71.1 27.396,66.422 28.472,66.426 28.476,72.833
  pour cut-out: 14.981,72.18 14.992,68.776 17.435,68.832 17.435,69.124 15.527,69.124 15.527,70.432 15.782,70.526 15.812,70.725 15.771,70.947 15.707,71.053 15.327,71.058 15.327,72.359 15.209,72.408 15.327,72.359 15.209,72.408
  pour cut-out: 45.678,87.197 45.645,87.07 48.466,84.274 48.571,84.339 48.425,86.018 47.59,86.921 47.582,87.138 47.483,87.235
  pour cut-out: 49.585,75.067 50.168,74.55 50.872,74.566 51.196,74.55 51.692,74.506 52.336,75.125 51.782,75.156 51.383,75.793 50.937,75.509 50.688,75.26 50.392,75.089 49.788,74.931
  pour cut-out: 42.824,77.001 43.032,76.862 43.412,76.476 44.527,75.438 45.102,75.116 45.454,75.293 45.702,75.293 45.707,75.118 45.872,75.089 46.254,75.131 47.092,75.106 48.731,75.119 48.774,75.246 45.726,78.289 42.065,78.265 42.065,77.056 42.065,78.265 42.065,77.056
  pour cut-out: 1.968,44.193 1.792,44.228 1.741,44.186 1.752,40.056 2.018,40.052 2.018,41.66 2.242,41.66 2.329,42.212 2.308,42.315 2.229,42.48 1.968,42.485 1.968,44.161 1.782,44.296 1.741,44.186
  pour cut-out: 1.741,49.763 1.782,44.296 4.276,44.193 4.276,44.885 1.968,44.885 1.968,46.593 2.37,46.618 2.459,46.998 2.522,50.516 2.346,50.367 2.522,50.516 2.346,50.367
  pour cut-out: 22.557,78.239 21.058,78.232 21.081,81.614 21.198,81.663 21.278,81.583 22.171,81.527 22.44,81.768 22.557,81.72
  pour cut-out: 22.557,89.559 22.557,83.862 22.43,83.829 22.262,83.895 21.352,83.895 21.081,83.9 21.081,88.083
  pour cut-out: 39.557,76.974 39.482,76.989 39.482,92.406
  pour cut-out: 25.062,76.696 25.692,76.746 25.642,78.186 25.694,78.189 25.714,92.235 25.065,92.214 25.065,76.974
  pour cut-out: 49.076,50.232 49.403,50.799 49.445,51.12 49.582,51.516 56.706,58.719 56.833,76.045 57.431,75.447 57.431,56.721 50.502,49.927 50.367,49.851 49.832,49.866 49.032,49.866 48.712,49.851 48.686,49.978 48.712,49.851 48.686,49.978
  pour cut-out: 26.138,72.46 25.95,71.374 25.927,71.164 25.738,71.1 25.688,66.422 24.995,66.422 24.992,73.468 27.225,73.546 24.992,73.468 27.225,73.546
  pour cut-out: 39.966,67.71 39.966,68.502 31.047,68.485 31.047,67.693 31.047,68.485 31.047,67.693
  pour cut-out: 31.047,72.432 31.047,71.74 40.036,71.72 40.036,72.412 30.812,72.476
  pour cut-out: 10.698,89.34 10.006,89.34 10.006,87.832 10.698,87.832
  pour cut-out: 48.148,32.511 48.114,32.384 48.71,31.75 48.746,31.617 48.877,31.617 48.913,31.75 49.175,32.133 49.202,36.476 48.48,36.377 48.682,32.838 48.586,32.607
  pour cut-out: 51.25,31.75 51.417,31.617 51.453,31.75 51.82,32.238 51.82,32.528 51.581,32.838 51.606,36.2 50.622,36.286 50.751,33.42 50.845,33.297 50.984,32.159 51.453,31.75
  pour cut-out: 16.756,19.977 16.812,19.656 21.248,19.756 23.779,22.013 34.436,22.095 35.046,22.522 35.392,22.666 35.142,22.946 34.54,23.09 34.175,23.224 22.262,23.234 20.042,21.336 19.982,21.306 19.992,21.089 16.849,21.067 16.756,20.94 16.756,20.608
  pour cut-out: 36.777,23.007 35.881,22.689 35.881,22.557 36.39,22.267 40.843,22.235 49.01,30.401 48.913,30.782 48.746,30.916 48.545,30.496 47.669,30.012 47.376,30.012 46.772,30.263 46.538,30.496 46.373,30.782 46.337,30.916 46.206,30.916 45.948,30.307 45.912,28.291 40.872,23.125 37.232,23.046 36.388,22.977 35.881,22.689 35.881,22.557
  pour cut-out: 36.785,20.472 35.881,20.149 36.428,19.721 41.893,19.7 51.932,29.846 51.453,30.782 51.417,30.916 50.852,30.476 50.655,29.595 41.209,20.472 36.424,20.447 36.015,20.185
  pour cut-out: 24.052,20.694 22.187,18.829 22.239,18.702 33.954,18.702 34.308,19.095 34.761,19.817 35.18,20.017 35.18,20.149 34.378,20.635 31.572,20.566 30.702,20.736
  pour cut-out: 18.134,18.479 18.213,18.54 18.17,18.667 14.748,18.707 14.748,18.445 14.748,18.707 14.748,18.445
  pour cut-out: 18.399,50.117 18.995,50.263 29.765,61.026 29.772,61.576 29.232,61.176
  pour cut-out: 18,49.71 18.118,49.656 18.118,47.472 17.086,47.472 17.086,48.632
  pour cut-out: 3.781,50.004 3.863,50.087 5.368,50.087 5.418,47.472 3.772,47.426
  pour cut-out: 3.56,51.402 5.987,51.318 6.763,50.448 6.804,49.98 6.926,47.472 7.958,47.472 7.958,49.98 8.044,50.128 8.052,50.493 6.468,52.077 4.055,52.077 3.5,51.522 4.055,52.077 3.5,51.522
  pour cut-out: 13.074,90.016 13.074,90.708 10.969,90.708 10.969,90.016

## Silkscreen, mask and mechanical layers (free items; w line width, h text height)
Top Overlay:
  drawing of 28 lines, arcs and shapes, not listed
  text "+" at 9.152,80.183 h2
  text "10/03/23" at 44.922,2.556 h1
Bottom Overlay:
  drawing of 10 lines, arcs and shapes, not listed
  text "Mehmet Emin" at 57.922,86.546 h1.5
  text "Omer Faruk" at 57.922,83.916 h1.5
  text "Sudenaz" at 57.922,81.234 h1.5
  text "Osman" at 57.922,78.904 h1.5
  text "Nadiye Ozen" at 57.922,76.326 h1.5
  text "Batuhan" at 57.922,73.346 h1.5
  text "Sumeyra" at 57.922,70.406 h1.5
  text "Sevval" at 57.922,67.576 h1.5
  text "Hayat" at 57.922,64.786 h1.5
  text "Hazel" at 57.922,61.516 h1.5
  text "Tunahan" at 57.922,58.806 h1.5
  text "Muratcan" at 57.922,56.036 h1.5
  text "Melih" at 57.922,53.12 h1.5
  text "Dolunay" at 57.942,50.396 h1.5
  text "Jaufar" at 58.092,47.456 h1.5
  text "Burak" at 57.852,44.836 h1.5
Outline:
  the board outline again, w0.1

## Text inside footprints (layer, text, board x,y; h text height)
C1: Top Overlay "+" at 9.921,71.11 h0.8 r180
C2: Top Overlay "+" at 6.518,28.346 h0.8 r270
C3: Top Overlay "+" at 12.812,53.42 h0.8 r180
C4: Top Overlay "+" at 10.412,51.773 h0.8
C5: Top Overlay "+" at 7.595,25.946 h0.8 r90
C6: Top Overlay "+" at 20.025,21.326 h0.8 r90
C7: Top Overlay "+" at 45.127,74.877 h0.8 r270
C8: Top Overlay "+" at 19.468,93.546 h0.8 r270
C9: Top Overlay "+" at 17.358,93.516 h0.8 r270
C10: Top Overlay "+" at 18.314,67.778 h0.8 r90
C11: Top Overlay "+" at 7.688,75.116 h0.8 r270
C12: Top Overlay "+" at 4.091,61.86 h0.8 r180
U5: Mechanical 13 "ANTENNA" at 26.311,96.658 h1.78
?: Top Overlay "2" at 21.702,3.598 h1.27; Top Overlay "1" at 22.21,1.058 h1.27; Top Overlay "9" at 35.926,1.058 h1.27; Top Overlay "10" at 35.926,3.598 h1.27